# Allegro board V851S_V851SE_PER1_STD_QFN88_V1_0.brd
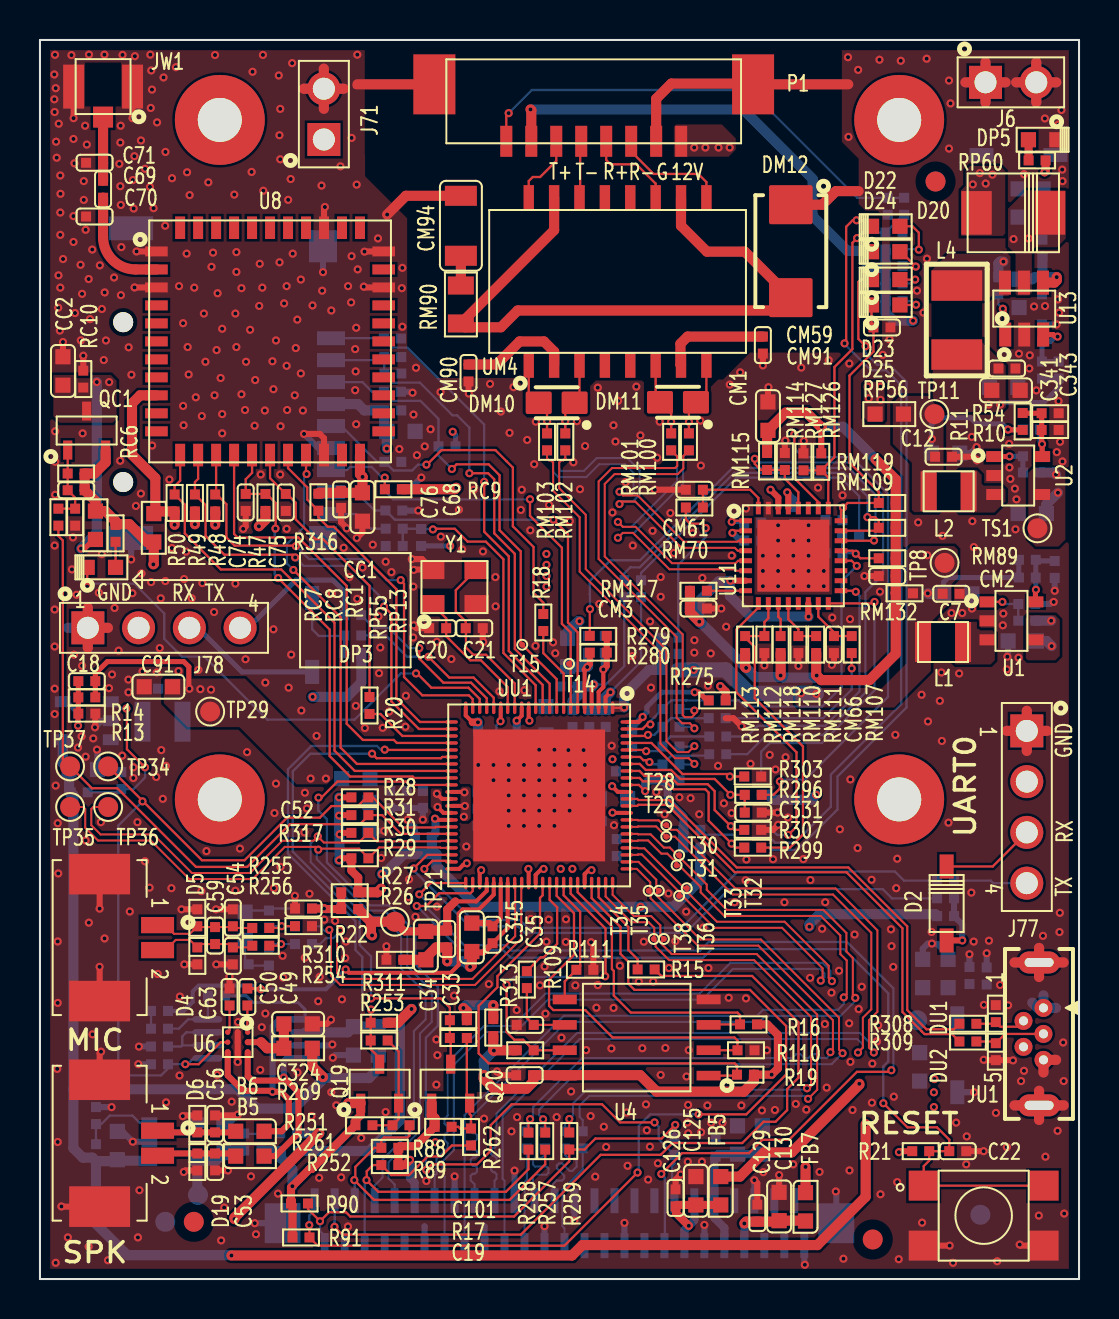
[diagram p0: board, top side]
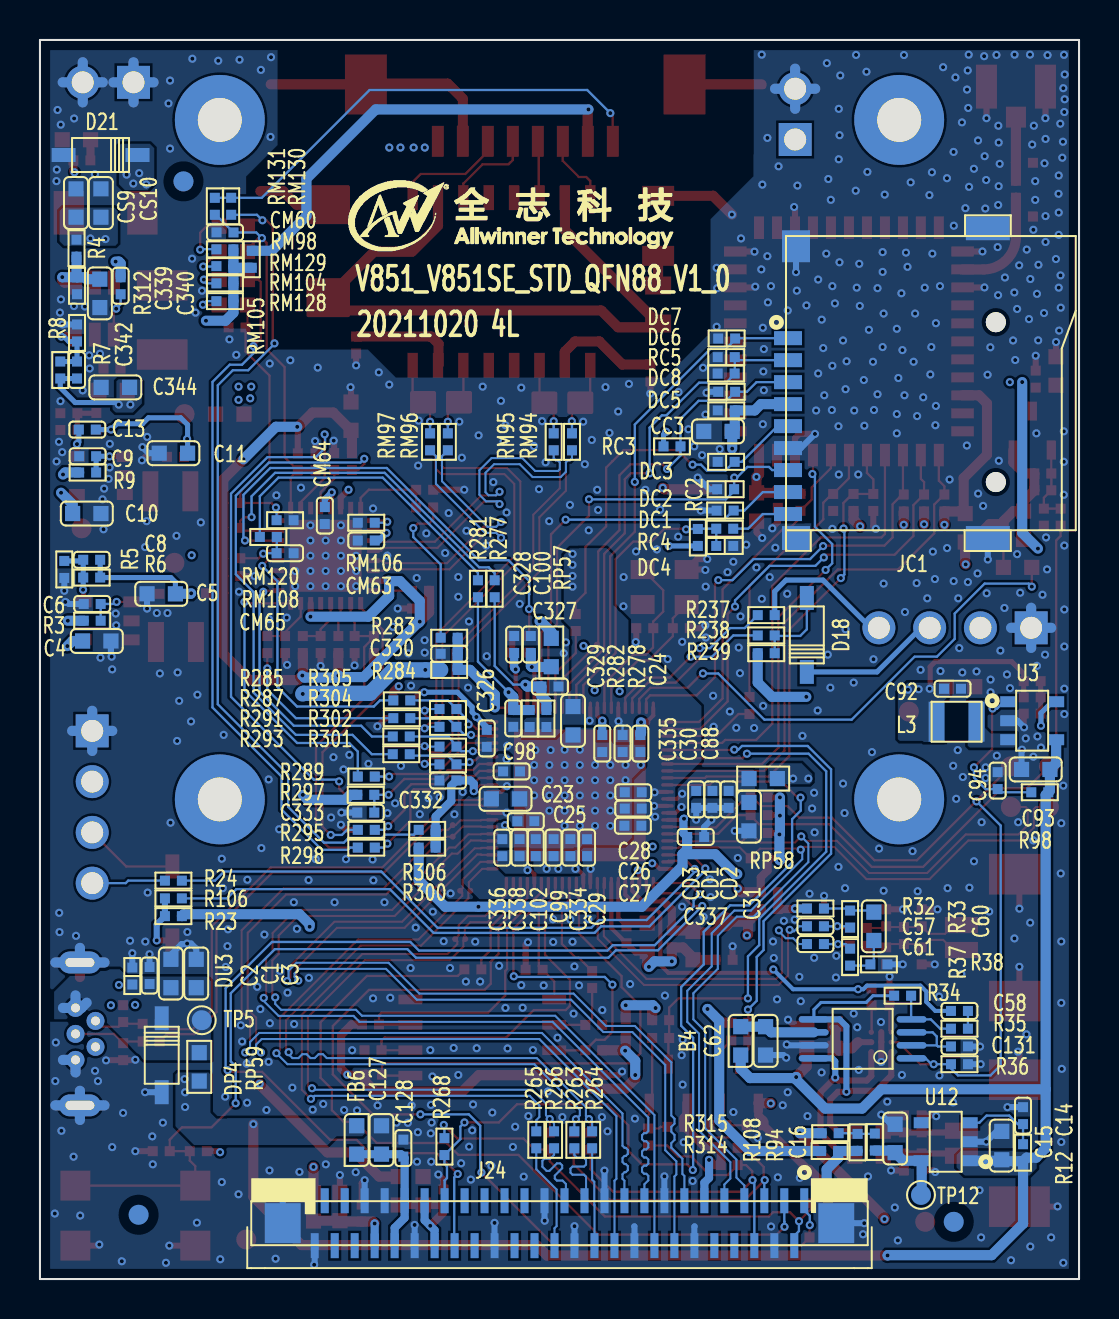
[diagram p1: board, bottom side, seen from below]

Outline 52 x 62 mm; copper layers: TOP, GND02, PWR03, BOTTOM. Coordinates in mm from the lower left corner of the outline.
Outline path: 0,62 0,0 52,0 52,62 0,62

## Design rules (mm)
net group DP1: nets USB0-DM USB0-DP
net group DP2: nets MIC1N-MIC MIC1P-MIC
net group DP3: nets PA8 PA9
net group DP4: nets PA6 PA7
net group EPHY-RX: nets EPHY-RXN EPHY-RXP
net group EPHY-TX: nets EPHY-TXN EPHY-TXP
net group IR-CUT-CTRL: nets IR-CUT-CTRL+ IR-CUT-CTRL-
net group MCSI-CK: nets MCSI-CKN MCSI-CKP
net group MCSI-D0: nets MCSI-D0N MCSI-D0P
net group MCSI-D1: nets MCSI-D1N MCSI-D1P
net group MICIN1: nets MICIN1N MICIN1P
net group MIPI-CSI-D2: nets MIPI-CSI-D2N MIPI-CSI-D2P
net group MIPI-CSI-D3: nets MIPI-CSI-D3N MIPI-CSI-D3P
net group RMII-MDI0: nets RMII-MDI0+ RMII-MDI0-
net group RMII-MDI1: nets RMII-MDI1+ RMII-MDI1-

## Placement (name value [footprint] x y rotation side)
B4  100R-1A  [L0603]  16.93 11.92 270 bottom
B5  100R-1A  [L0603]  10.51 6.15 180 top
B6  100R-1A  [L0603]  10.51 7.4 180 top
C1  NC/10uF  [C0603]  45.45 15.29 270 bottom
C2  100nF  [C0402]  46.52 15.19 270 bottom
C3  10uF  [C0603]  44.18 15.29 270 bottom
C4  4.7uF  [C0603]  49.16 31.92 0 bottom
C5  10uF  [C0603]  45.93 34.29 180 bottom
C6  NC/10nF  [C0402]  49.39 33.78 180 bottom
C7  100nF  [C0402]  45.6 34.29 180 top
C8  22pF  [C0402]  49.41 35.99 0 bottom
C9  100nF-X7R  [C0402]  49.61 41.17 180 bottom
C10  4.7uF  [C0603]  49.66 38.3 0 bottom
C11  10uF  [C0603]  45.32 41.32 180 bottom
C12  100nF  [C0402]  45.22 41.14 180 top
C13  22pF  [C0402]  49.63 42.51 0 bottom
C14  NC/10nF  [C0402]  2.8 8.18 270 bottom
C15  10uF  [C0603]  3.87 6.68 270 bottom
C16  4.7uF  [C0603]  9.2 7.03 270 bottom
C18  22pF  [C0402]  2.35 29.92 180 top
C19  100nF  [C0402]  24.26 10.2 0 top
C20  18pF  [C0402]  19.9 32.57 0 top
C21  18pF  [C0402]  21.73 32.57 180 top
C22  1nF  [C0402]  45.93 6.4 180 top
C23  NC/10uF  [C0603]  28.7 24.03 180 bottom
C24  10uF  [C0603]  25.32 27.93 270 bottom
C25  2.2uF  [C0402]  27.69 22.91 180 bottom
C26  1nF  [C0402]  22.31 23.54 0 bottom
C27  NC/100nF  [C0402]  22.33 22.68 0 bottom
C28  2.2uF  [C0402]  22.31 24.36 0 bottom
C29  1nF  [C0402]  24.62 21.59 90 bottom
C30  2.2uF  [C0402]  22.84 26.79 270 bottom
C31  10uF  [C0603]  16.52 23.14 270 bottom
C33  2.2uF  [C0402]  20.38 17.01 270 top
C34  NC/10uF  [C0603]  19.31 16.68 270 top
C35  470nF  [C0402]  22.65 17.23 90 top
C49  33nF  [C0402]  10.38 14.11 270 top
C50  33nF  [C0402]  9.49 14.11 270 top
C52  1uF  [C0402]  13.19 18.54 180 top
C53  22pF  [C0402]  8.76 5.86 270 top
C54  33pF  [C0402]  9.65 18.07 90 top
C56  22pF  [C0402]  8.76 7.76 90 top
C57  100nF  [C0402]  13.19 17.65 0 bottom
C58  390nF  [C0402]  5.98 13.42 180 bottom
C59  100pF  [C0402]  8.76 17.19 90 top
C60  4.7uF  [C0603]  10.27 17.65 90 bottom
C61  100nF  [C0402]  13.19 16.76 0 bottom
C62  10uF-10V  [C0603]  15.69 11.92 90 bottom
C63  33pF  [C0402]  9.65 16.17 90 top
C68  10uF  [C0603]  16.14 38.63 270 top
C69  10pF  [C0402]  3.16 54.53 90 top
C70  NC  [C0402]  2.73 53.17 0 top
C71  NC  [C0402]  2.73 55.86 0 top
C74  5.6pF  [C0402]  10.3 38.86 270 top
C75  5.6pF  [C0402]  12.3 38.86 270 top
C76  4.7uF  [C0402]  15.07 39.01 270 top
C88  100nF  [C0402]  21.95 26.79 90 bottom
C91  10uF  [C0603]  5.93 29.64 0 top
C92  100nF  [C0402]  6.33 29.54 0 bottom
C93  10uF  [C0603]  2.17 25.5 180 bottom
C94  NC/10nF  [C0402]  4.07 24.94 270 bottom
C98  100nF  [C0402]  28.4 25.4 180 bottom
C99  100nF  [C0402]  26.3 21.59 90 bottom
C100  100nF  [C0402]  27.43 31.75 90 bottom
C101  NC/5.6pF  [C0402]  24.28 12.72 0 top
C102  100nF  [C0402]  27.19 21.59 90 bottom
C125  10uF  [C0603]  32.83 4.42 270 top
C126  100nF  [C0402]  31.81 4.06 270 top
C127  10uF  [C0603]  34.91 6.96 270 bottom
C128  100nF  [C0402]  33.82 6.55 270 bottom
C129  100nF  [C0402]  35.9 3.3 270 top
C130  10uF  [C0603]  36.99 3.63 270 top
C131  1uF  [C0402]  5.98 11.64 0 bottom
C324  10uF-10V  [C0603]  12.92 12.77 180 top
C326  1uF  [C0402]  29.64 27.05 270 bottom
C327  100nF  [C0402]  26.48 29.65 180 bottom
C328  100nF  [C0402]  28.27 31.75 90 bottom
C329  100nF  [C0402]  28.31 28.05 270 bottom
C330  1uF  [C0402]  31.52 31.29 0 bottom
C331  100nF  [C0402]  35.7 23.34 180 top
C332  100nF  [C0402]  31.58 24.95 180 bottom
C333  2.2uF  [C0402]  35.7 23.34 180 bottom
C334  2.2uF  [C0402]  25.46 21.59 90 bottom
C335  100nF  [C0402]  23.86 26.79 270 bottom
C336  100nF  [C0402]  28.86 21.59 90 bottom
C337  100nF  [C0402]  19.19 22.12 180 bottom
C338  2.2uF  [C0402]  28 21.59 90 bottom
C339  NC  [C0603]  49 49.32 90 bottom
C340  100nF  [C0402]  47.96 49.7 90 bottom
C341  100nF  [C0402]  48.39 45.56 180 top
C342  47pF  [C0402]  50.15 45.49 270 bottom
C343  10uF-10V  [C0603]  48.34 44.47 180 top
C344  10uF-10V  [C0603]  48.23 44.62 180 bottom
C345  NC/10uF  [C0603]  21.61 17.1 270 top
CC1  100nF  [C0402]  1.81 39.47 0 top
CC2  NC/10uF  [C0603]  1.15 45.44 270 top
CC3  10uF  [C0603]  18.07 42.41 180 bottom
CD1  2.2uF  [C0402]  18.35 24 270 bottom
CD2  100nF  [C0402]  17.53 24 270 bottom
CD3  10nF  [C0402]  19.16 24 270 bottom
CM1  10uF  [C0603]  36.43 43.18 270 top
CM2  100nF  [C0402]  42.4 35.18 0 top
CM3  100nF  [C0402]  32.95 33.55 180 top
CM59  NC  [C0402]  42.14 47.61 180 top
CM60  NC  [C0402]  42.74 52.37 180 bottom
CM61  NC/27PF  [C0402]  32.75 39.49 0 top
CM63  104  [C0402]  35.67 36.95 180 bottom
CM64  104  [C0402]  37.74 38.2 90 bottom
CM65  104  [C0402]  39.73 36.32 0 bottom
CM66  NC/10PF  [C0402]  39.73 31.75 90 top
CM90  100nF  [C0402]  21.45 45.34 90 top
CM91  100nF  [C0402]  36.18 46.73 90 top
CM94  1nF-2KV  [C1206]  21.06 52.7 270 top
CS9  10uF-16V  [C0603]  48.95 53.84 270 bottom
CS10  10uF-16V  [C0603]  50.2 53.84 270 bottom
D2  B5819W  [SOD155_270H118]  45.37 18.79 90 top
D4  NC/ESD5451X  [ESD0402]  7.88 16.17 90 top
D5  NC/ESD5451X  [ESD0402]  7.88 18.07 270 top
D6  ESD5451X-2-TR  [ESD0402]  7.88 7.76 270 top
D18  B5819W  [SOD155_270H118]  13.62 32.23 270 bottom
D19  ESD5451X-2-TR  [ESD0402]  7.88 5.86 90 top
D20  SS24  [SOD362_432H229]  48.71 53.35 0 top
D21  SMBJ15CA  [SOD155_270H118]  48.97 56.24 180 bottom
D22  LED-0603-G  [LED0603]  42.32 52.68 180 top
D23  LED-0603-R  [LED0603]  42.32 50.01 180 top
D24  LED-0603-R  [LED0603]  42.32 51.41 180 top
D25  LED-0603-G  [LED0603]  42.32 48.74 180 top
DC1  ESD9B5VL-2-TR  [ESD0402]  17.71 38.45 180 bottom
DC2  ESD9B5VL-2-TR  [ESD0402]  17.69 39.52 180 bottom
DC3  ESD9B5VL-2-TR  [ESD0402]  17.66 40.89 180 bottom
DC4  NC/ESD5451X-2-TR  [ESD0402]  17.73 36.68 0 bottom
DC5  ESD5451X-2-TR  [ESD0402]  17.65 43.46 180 bottom
DC6  ESD9B5VL-2-TR  [ESD0402]  17.65 46.13 180 bottom
DC7  ESD9B5VL-2-TR  [ESD0402]  17.64 47.06 180 bottom
DC8  ESD9B5VL-2-TR  [ESD0402]  17.64 44.4 180 bottom
DM10  SPD9103W  [SOD323]  25.86 43.85 180 top
DM11  SPD9103W  [SOD323]  31.93 43.87 180 top
DM12  SPD4200B  [SMB]  37.57 51.43 270 top
DP3  LED-0603-B  [LED0603]  3.07 35.61 180 top
DP4  PT1A071V  [SOD155_270H118]  45.91 11.2 90 bottom
DP5  LED-0603-R  [LED0603]  50.18 57.01 0 top
DU1  NC/ESD9B5VL-2-TR  [ESD0402]  47.84 13.28 270 top
DU2  NC/ESD9B5VL-2-TR  [ESD0402]  47.84 11.38 90 top
DU3  NC/ESD5451X-2-TR  [ESD0402]  47.38 15.16 270 bottom
FB5  100R-1A  [L0603]  34.07 4.42 90 top
FB6  100R-1A  [L0603]  36.15 6.96 90 bottom
FB7  100R-1A  [L0603]  38.31 3.61 90 top
J5  CON2  [PITCH1_25_90_SMD_2PIN]  5.89 17.08 270 top
J6  CON1X2-2.54-M  [HDR1_2P254B250_508H254]  48.59 59.88 0 top
J24  FPC-50P-0.5MM-V  [FPC52P50B450_3065H520]  26 2.79 270 bottom
J71  NC/DBG-CLK  [HDR1_2P254B250_508H254]  14.21 58.29 90 top
J73  CON2  [PITCH1_25_90_SMD_2PIN]  5.89 6.8 270 top
J77  CON1X4-2.54-M  [HDR1_4P254B250_1016H254]  49.39 23.62 270 top
J78  CON1X4-2.54-M  [HDR1_4P254B250_1016H254]  6.21 32.59 0 top
JC1  TF-SLOT  [SDC13B1450_1472H245]  7.41 44.83 270 bottom
JU1  USB2.0-MICRO-02F  [ZIK_DIP_CN_UB315-F05G1BR-A_A_1]  50.22 12.27 270 top
JW1  ANT-IPX  [ANT3B300_310H125]  3.16 59.67 180 top
K1  Recovery  [KEY4B450_450H380]  47.23 3.17 0 top
L1  2.2uH-1.5A  [LP200_250H100]  45.19 31.87 180 top
L2  2.2uH-1.5A  [LP200_250H100]  45.47 39.42 180 top
L3  2.2uH-1.5A  [LP200_250H100]  6.13 27.89 0 bottom
L4  4.7UH  [CD32]  45.88 47.99 270 top
NOREF  -  []  0 0 90 top
NOREF#2  -  [unnamed#2]  7.7 2.86 0 top
NOREF#3  -  []  -30.31 -27.76 0 top
NOREF#4  -  []  9 24 0 top
NOREF#5  -  []  43 24 90 top
NOREF#6  -  []  52 0 90 top
NOREF#7  -  [unnamed#3]  9 58 0 top
NOREF#8  -  [unnamed#3]  43 58 0 top
NOREF#9  -  [unnamed#3]  9 24 0 top
NOREF#10  -  [unnamed#2]  44.82 54.92 0 top
NOREF#11  -  []  0 62 0 top
NOREF#12  -  [unnamed#3]  43 24 0 top
NOREF#13  -  [unnamed#2]  41.68 1.98 0 top
NOREF#14  -  [unnamed#2]  6.27 2.86 180 bottom
NOREF#15  -  [unnamed#2]  47.06 3.22 180 bottom
NOREF#16  -  []  36.66 51.27 180 bottom
NOREF#17  -  [unnamed#2]  44.82 54.92 180 bottom
P1  FPC_8PIN_1.25MM-V  [FPC8P125B1475_420H535]  27.71 56.93 180 top
Q19  NC/WNM2021  [SOT3P95B130_290H103]  17 9.77 90 top
Q20  NC/WNM2021  [SOT3P95B130_290H103]  20.55 9.78 90 top
QC1  STS2301  [SOT3P95B130_290H103]  2.34 42.46 90 top
R3  100K  [R0402]  49.39 32.94 180 bottom
R4  200K  [R0402]  50.17 51.58 270 bottom
R5  100K-1%  [R0402]  50.78 35.51 270 bottom
R6  442K-1%  [R0402]  49.41 35.1 0 bottom
R7  150K-1%  [R0402]  50.98 45.49 270 bottom
R8  20K-1%  [R0402]  50.15 47.34 270 bottom
R9  470K  [R0402]  49.61 40.36 180 bottom
R10  30K-1%  [R0402]  50.55 42.48 0 top
R11  16K-1%  [R0402]  49.18 42.91 90 top
R12  100K  [R0402]  2.8 6.32 90 bottom
R13  100K-1%  [R0402]  2.35 28.29 0 top
R14  150K-1%  [R0402]  2.35 29.11 180 top
R15  33R  [R0402]  30.34 15.49 0 top
R16  10K  [R0402]  35.46 12.74 180 top
R17  10K  [R0402]  24.28 11.45 0 top
R18  33R  [R0402]  25.19 32.85 90 top
R19  NC/10K  [R0402]  35.31 10.23 180 top
R20  33R  [R0402]  16.49 28.7 270 top
R21  51K  [R0402]  44.08 6.4 180 top
R22  0R  [R0402]  17.76 15.97 0 top
R23  10K  [R0402]  45.32 18.16 0 bottom
R24  1K  [R0402]  45.32 19.94 0 bottom
R26  2.2R  [R0402]  15.5 18.51 0 top
R27  NC/10R  [R0402]  15.5 19.35 0 top
R28  NC/10K  [R0402]  16.01 24.1 0 top
R29  NC/10K  [R0402]  16.01 21.05 0 top
R30  NC/10K  [R0402]  16.01 22.32 0 top
R31  NC/10K  [R0402]  16.01 23.21 0 top
R32  1K  [R0402]  13.19 18.54 0 bottom
R33  1.5K  [R0402]  11.46 18.01 270 bottom
R34  75K-1%  [R0402]  8.83 14.18 0 bottom
R35  20K-1%  [R0402]  5.98 12.53 0 bottom
R36  100K  [R0402]  5.98 10.75 180 bottom
R37  1.5K  [R0402]  11.46 16.11 90 bottom
R38  1K  [R0402]  10.02 15.74 180 bottom
R47  NC/33K  [R0402]  11.29 38.86 90 top
R48  NC/33K  [R0402]  8.77 38.83 90 top
R49  33K  [R0402]  7.76 38.83 90 top
R50  33K  [R0402]  6.74 38.83 90 top
R54  NC/240K-1%  [R0402]  50.55 43.32 0 top
R88  2K  [R0402]  17.51 6.57 0 top
R89  2K  [R0402]  17.51 5.7 0 top
R90  100K  [R0402]  12.99 3.78 180 top
R91  100K  [R0402]  13.06 2.08 180 top
R94  NC/0R  [R0402]  10.22 6.85 90 bottom
R98  100K  [R0402]  1.96 24.36 0 bottom
R106  1K  [R0402]  45.32 19.05 0 bottom
R108  NC/0R  [R0402]  11.08 6.84 270 bottom
R109  33R  [R0402]  24.37 14.98 270 top
R110  NC/4.7K  [R0402]  35.33 11.45 0 top
R111  NC/4.7K  [R0402]  27.27 15.47 0 top
R237  1K  [R0402]  15.65 33.22 180 bottom
R238  1K  [R0402]  15.65 32.2 180 bottom
R239  10K  [R0402]  15.65 31.32 0 bottom
R251  2.2K  [R0402]  16.21 7.69 180 top
R252  2.2K  [R0402]  20.18 7.62 180 top
R253  NC/0R  [R0402]  20.94 12.06 0 top
R254  NC/0R  [R0402]  16.98 11.93 0 top
R255  0R  [R0402]  11.05 17.57 0 top
R256  0R  [R0402]  11.05 16.68 0 top
R257  0R  [R0402]  25.29 6.9 270 top
R258  0R  [R0402]  24.45 6.9 270 top
R259  0R  [R0402]  26.49 6.9 270 top
R261  NC/0R  [R0402]  18.07 7.69 0 top
R262  NC/0R  [R0402]  21.57 7.11 270 top
R263  NC/0R  [R0402]  25.26 6.97 270 bottom
R264  NC/0R  [R0402]  24.37 6.97 270 bottom
R265  NC/0R  [R0402]  27.16 6.97 270 bottom
R266  NC/0R  [R0402]  26.27 6.97 270 bottom
R268  NC/0R  [R0402]  31.76 6.63 90 bottom
R269  1R  [R0603]  12.92 11.55 0 top
R275  0R  [R0402]  33.89 28.95 180 top
R277  0R  [R0402]  29.24 34.54 270 bottom
R278  0R  [R0402]  26.65 28.05 90 bottom
R279  0R  [R0402]  27.94 32.18 0 top
R280  0R  [R0402]  27.94 31.34 0 top
R281  0R  [R0402]  30.08 34.54 270 bottom
R282  0R  [R0402]  27.49 28.05 90 bottom
R283  0R  [R0402]  31.52 32.09 180 bottom
R284  0R  [R0402]  31.52 30.48 180 bottom
R285  0R  [R0402]  33.89 28.95 180 bottom
R287  0R  [R0402]  33.89 28.06 180 bottom
R289  0R  [R0402]  35.67 25.14 180 bottom
R291  0R  [R0402]  33.92 27.15 180 bottom
R293  0R  [R0402]  33.92 26.26 180 bottom
R295  0R  [R0402]  35.67 22.48 180 bottom
R296  0R  [R0402]  35.7 24.23 180 top
R297  0R  [R0402]  35.7 24.23 180 bottom
R298  0R  [R0402]  35.67 21.59 180 bottom
R299  0R  [R0402]  35.67 21.59 180 top
R300  0R  [R0402]  32.62 21.59 180 bottom
R301  0R  [R0402]  31.58 25.75 180 bottom
R302  0R  [R0402]  31.58 26.64 180 bottom
R303  0R  [R0402]  35.67 25.14 180 top
R304  0R  [R0402]  31.58 27.63 180 bottom
R305  0R  [R0402]  31.58 28.52 180 bottom
R306  0R  [R0402]  32.62 22.48 180 bottom
R307  6.04K-1%  [R0402]  35.67 22.48 180 top
R308  0R  [R0402]  46.44 12.77 0 top
R309  0R  [R0402]  46.44 11.88 0 top
R310  NC/2.2K  [R0402]  16.98 12.82 0 top
R311  NC/2.2K  [R0402]  20.94 12.95 0 top
R312  100K  [R0402]  50.15 49.7 90 bottom
R313  0R  [R0402]  22.69 12.58 90 top
R314  NC/0R  [R0402]  12.48 6.41 0 bottom
R315  NC/0R  [R0402]  12.45 7.3 0 bottom
R316  NC/33K  [R0402]  13.93 38.87 270 top
R317  NC/4.7K  [R0402]  13.19 17.66 0 top
RC1  2.2R  [R0603]  2.78 37.72 270 top
RC2  NC/10K  [R0402]  19.08 37.11 270 bottom
RC3  NC/10K  [R0402]  20.37 41.66 0 bottom
RC4  1K  [R0402]  17.73 37.55 0 bottom
RC5  NC/1M  [R0402]  17.66 45.31 0 bottom
RC6  100K  [R0402]  1.81 40.31 0 top
RC7  1K  [R0402]  0.92 38.12 90 top
RC8  10K  [R0402]  1.76 38.12 90 top
RC9  NC/10K  [R0402]  17.69 39.52 0 top
RC10  10K  [R0402]  2.17 45.03 270 top
RM70  0R  [R0402]  32.75 38.6 180 top
RM89  4.7K  [R0402]  42.4 36.06 180 top
RM90  75R-1%  [R0805]  21.06 48.76 90 top
RM94  3.3R  [R0402]  25.38 41.89 90 bottom
RM95  3.3R  [R0402]  26.29 41.89 90 bottom
RM96  3.3R  [R0402]  31.59 41.89 90 bottom
RM97  3.3R  [R0402]  32.48 41.89 90 bottom
RM98  330R  [R0402]  42.74 51.52 180 bottom
RM100  3.3R  [R0402]  32.48 41.89 90 top
RM101  3.3R  [R0402]  31.59 41.89 90 top
RM102  3.3R  [R0402]  26.29 41.89 90 top
RM103  3.3R  [R0402]  25.38 41.89 90 top
RM104  330R  [R0402]  42.74 49.82 180 bottom
RM105  330R  [R0402]  41.4 51.03 270 bottom
RM106  2.49K-1%  [R0402]  35.67 37.84 180 bottom
RM107  0R  [R0402]  40.62 31.75 90 top
RM108  0R  [R0402]  40.57 37.13 180 bottom
RM109  1.5K  [R0402]  42.4 37.59 0 top
RM110  4.7K  [R0402]  37.96 31.75 270 top
RM111  NC/4.7K  [R0402]  38.84 31.75 90 top
RM112  4.7K  [R0402]  36.25 31.75 270 top
RM113  NC/4.7K  [R0402]  35.29 31.75 90 top
RM114  4.7K  [R0402]  37.28 40.91 90 top
RM115  NC/4.7K  [R0402]  36.39 40.91 270 top
RM117  4.7K  [R0402]  32.95 34.44 0 top
RM118  NC/4.7K  [R0402]  37.07 31.75 90 top
RM119  4.7K  [R0402]  42.4 38.83 180 top
RM120  NC/4.7K  [R0402]  39.73 37.97 180 bottom
RM126  4.7K  [R0402]  39.1 40.89 270 top
RM127  NC/4.7K  [R0402]  38.21 40.89 90 top
RM128  330R  [R0402]  42.74 48.93 180 bottom
RM129  330R  [R0402]  42.74 50.68 180 bottom
RM130  0R  [R0402]  42.43 53.68 90 bottom
RM131  0R  [R0402]  43.25 53.68 90 bottom
RM132  0R  [R0402]  43.26 34.31 0 top
RP13  0.01R-1%  [R0603]  5.7 37.59 90 top
RP55  1K  [R0402]  3.78 37.31 270 top
RP56  0.01R-1%  [R0603]  42.5 43.28 180 top
RP57  0.01R-1%  [R0603]  26.41 31.35 270 bottom
RP58  0.01R-1%  [R0603]  15.81 25.04 0 bottom
RP59  0.01R-1%  [R0603]  44.03 10.62 270 bottom
RP60  1K  [R0402]  49.9 55.97 180 top
T14  SDC0-D0  [TP30]  26.48 30.78 0 top
T15  SDC0-CMD  [TP30]  24.13 31.74 0 top
T28  eMMC-CMD  [TP30]  31.35 22.71 90 top
T29  eMMC-CMD  [TP30]  31.35 22.14 90 top
T30  eMMC-CMD  [TP30]  31.99 21.21 90 top
T31  eMMC-CMD  [TP30]  31.86 20.7 90 top
T32  eMMC-CMD  [TP30]  32.37 19.55 90 top
T33  eMMC-CMD  [TP30]  31.99 19.17 90 top
T34  eMMC-CMD  [TP30]  30.46 19.43 90 top
T35  eMMC-CMD  [TP30]  30.97 19.43 90 top
T36  eMMC-CMD  [TP30]  31.22 17.01 90 top
T38  eMMC-CMD  [TP30]  30.72 17.01 90 top
TP5  5V  [TP100]  43.9 12.95 180 bottom
TP8  3V3  [TP100]  45.27 35.84 180 top
TP11  0V9  [TP100]  44.76 43.28 180 top
TP12  1V8  [TP100]  7.91 4.21 0 bottom
TP21  AVCC  [TP100]  17.76 17.88 180 top
TP29  1V5  [TP100]  8.52 28.39 180 top
TP34  TDI  [TP100]  3.41 25.65 270 top
TP35  TMS  [TP100]  1.51 23.62 270 top
TP36  TCK  [TP100]  3.41 23.62 270 top
TP37  TDO  [TP100]  1.51 25.65 270 top
TS1  ACIN  [TP100]  49.92 37.56 0 top
U1  RY3408/SY8088AAC  [SOT5P95B160_300H130]  48.62 32.93 0 top
U2  SY8088i  [SOT5P95B160_300H130]  48.95 40.21 0 top
U3  RY3408/SY8088AAC  [SOT5P95B160_300H130]  2.35 27.94 180 bottom
U4  SPI-NOR-SO8  [SOP8P127B528_528H195]  29.86 12.08 180 top
U5  NC/NS4890  [MSOP-8P]  10.83 12.02 90 bottom
U6  AW8155  [BGA9P50B145_145H65]  9.9 11.85 270 top
U8  BL-M8189FS  [SUB_WIFI44B1200_1200H150]  11.52 46.92 0 top
U11  RTL8201F-VB  [QFN33P50B500_500H85]  37.7 36.19 0 top
U12  AP2127K-1.8TRG1  [SOT5P95B160_300H130]  6.67 6.87 0 bottom
U13  SY8120B1ABC  [SOT6P95B180_310H100]  49.26 48.56 90 top
UM4  H1601CG  [SOP16P127B690_1260H584]  28.91 49.92 90 top
UU1  V851  [QFN89P35B900_900H90]  24.98 24.2 270 top
Y1  24M-16pF-10ppm  [X4B250_320H120_SMD]  20.74 34.62 90 top

## Library data of the parts
B4-B6 FB5-FB7 = FB-0603
C1 C3-C5 C10 C11 C15 C16 C23 C24 C31 C34 C62 C68 C91 C93 C324 C339 C343-C345 CC2 CC3 CS9 CS10 = C-C0603
C2 C6-C9 C12-C14 C18-C22 C25-C30 C33 C35 C49 C50 C52-C54 C56-C61 C63 C69-C71 C74-C76 C88 C92 C94 C98-C102 C125-C131 C326-C338 C340-C342 CC1 CD1-CD3 CM59-CM61 CM90 CM91 = C-C0402
CM1-CM3 CM63-CM66 = C-C0402: room: EMAC
CM94 = C-C1206
D2 D18 = DIO-B5819W
D4 D5 DC1-DC3 DC6-DC8 DU1 DU2 = ESD9B5VL
D6 D19 DC4 DC5 DU3 = ESD5451X
D20 = DIO-SS24
D21 = ZENER-SMBJ15CA
D22 D25 = LED-0603-G
D23 D24 DP5 = LED-0603-R
DM10 DM11 = SPD9103W: Tolerance: RichardLC
DM12 = SPD4200B
DP3 = LED-0603-B
DP4 = ZENER-BZT52C5V6
J5 J73 = CON3_3: room: POWER
J6 = CON1X2-2.54-M
J24 = FPC-50P-0.5MM-V
J71 = JUMPER-2
J77 J78 = CON1X4-2.54-M
JC1 = TF-SLOT
JU1 = USB2_0-MICRO-02F
JW1 = ANT-IPX
K1 = KEY-04P-SMD-03: Tolerance: TOLERANCE; User Part Number: PRAT NUMBER
L1-L3 = L-L2520
L4 = L-L3225
P1 = FPC_8PIN_1.25MM-V
Q19 Q20 = NMOS-WNM2021
QC1 = PMOS-STS2301
R3-R20 R22 R26-R38 R47-R50 R54 R88-R91 R94 R98 R108-R111 R237-R239 R251-R259 R261-R266 R268 R269 R275 R277-R285 R287 R289 R291 R293 R295-R306 R308-R317 RC1-RC10 RM70 RM89 RM94-RM98 RM100-RM115 RM117-RM120 RM126-RM132 RP13 RP56-RP59 = R-R0402-5%
R21 R307 = R-R0402-1%
R23 R24 R106 = R1_0805: room: DRAM
RM90 = R-R0805-1%
RP55 RP60 = R-R0603-5%
T14 T15 T28-T36 T38 = TestPoint-on wire
TP5 TP8 TP11 TP12 TP21 TP29 TP34-TP37 TS1 = TestPoint-SMD
U1-U3 = SY8008B
U4 = SPI-NOR-SO8
U5 = CS8302: Tolerance: Tolerance; User Part Number: ParNumber
U6 = AW8010CSR_0
U8 = AP6493_0
U11 = RTL8201F-VB
U12 = SGM2028
U13 = SY8120B1ABC
UM4 = H1601CG
UU1 = V851_QFN88
Y1 = CRY-24MHz-3225-SMD

## Footprints (pads in the part's own frame, mm; a bottom-side part is the same pattern mirrored in y, then rotated)
ANT3B300_310H125
  rect 1.05x2.2 smd: 1(-1.475,0) 2(1.475,0)
  rect 1x1.05 smd: 3(0,1.525)
BGA9P50B145_145H65
  round 0.27 smd: A1(-0.5,0.5) A2(0,0.5) A3(0.5,0.5) B1(-0.5,0) B2(0,0) B3(0.5,0) C1(-0.5,-0.5) C2(0,-0.5) C3(0.5,-0.5)
C0402
  rect 0.5x0.5 smd: 1(-0.425,0) 2(0.425,0)
C0603
  rect 0.76x0.76 smd: 1(-0.71,0) 2(0.71,0)
C1206
  rect 1x1.6 smd: 1(-1.5,0) 2(1.5,0)
CD32
  rect 1.524x2.54 smd: 1(-1.727,0) 2(1.727,0)
ESD0402
  rect 0.5x0.5 smd: 1(-0.425,0) 2(0.425,0)
FPC8P125B1475_420H535
  rect 0.6x1.55 smd: 1(-4.375,0) 2(-3.125,0) 3(-1.875,0) 4(-0.625,0) 5(0.625,0) 6(1.875,0) 7(3.125,0) 8(4.375,0)
  rect 2.1x3 smd: 9(-7.975,-2.85) 10(7.975,-2.85)
FPC52P50B450_3065H520
  rect 1.25x0.4 smd: 1(-1.125,12.25) 2(1.125,11.75) 3(-1.125,11.25) 4(1.125,10.75) 5(-1.125,10.25) 6(1.125,9.75) 7(-1.125,9.25) 8(1.125,8.75) 9(-1.125,8.25) 10(1.125,7.75) 11(-1.125,7.25) 12(1.125,6.75) 13(-1.125,6.25) 14(1.125,5.75) 15(-1.125,5.25) 16(1.125,4.75) 17(-1.125,4.25) 18(1.125,3.75) 19(-1.125,3.25) 20(1.125,2.75) 21(-1.125,2.25) 22(1.125,1.75) 23(-1.125,1.25) 24(1.125,0.75) 25(-1.125,0.25) 26(1.125,-0.25) 27(-1.125,-0.75) 28(1.125,-1.25) 29(-1.125,-1.75) 30(1.125,-2.25) 31(-1.125,-2.75) 32(1.125,-3.25) 33(-1.125,-3.75) 34(1.125,-4.25) 35(-1.125,-4.75) 36(1.125,-5.25) 37(-1.125,-5.75) 38(1.125,-6.25) 39(-1.125,-6.75) 40(1.125,-7.25) 41(-1.125,-7.75) 42(1.125,-8.25) 43(-1.125,-8.75) 44(1.125,-9.25) 45(-1.125,-9.75) 46(1.125,-10.25) 47(-1.125,-10.75) 48(1.125,-11.25) 49(-1.125,-11.75) 50(1.125,-12.25)
  rect 2x1.8 smd: 51(0,13.85) 52(0,-13.85)
HDR1_2P254B250_508H254
  rect 1.65x1.65 hole 1.1: 1(-1.27,0)
  round 1.65 hole 1.1: 2(1.27,0)
HDR1_4P254B250_1016H254
  rect 1.65x1.65 hole 1.1: 1(-3.81,0)
  round 1.65 hole 1.1: 2(-1.27,0) 3(1.27,0) 4(3.81,0)
KEY4B450_450H380
  rect 1.5x1.5 smd: 1(-3,1.5) 2(-3,-1.5) 3(3,1.5) 4(3,-1.5)
L0603
  rect 0.76x0.76 smd: 1(-0.71,0) 2(0.71,0)
LED0603
  rect 0.76x0.76 smd: 1(-0.71,0) 2(0.71,0)
LP200_250H100
  rect 0.8x2 smd: 1(-1,0) 2(1,0)
MSOP-8P
  oval 0.325x1.5 smd: 1(-0.975,-2.45) 2(-0.325,-2.45) 3(0.325,-2.45) 4(0.975,-2.45) 5(0.975,2.45) 6(0.325,2.45) 7(-0.325,2.45) 8(-0.975,2.45)
PITCH1_25_90_SMD_2PIN
  rect 0.813x1.651 smd: 1(-0.625,0) 2(0.625,0)
  rect 2.032x3.048 smd: 3(-3.175,-2.9) 4(3.175,-2.9)
QFN33P50B500_500H85
  rect 0.63x0.25 smd: 1(-2.385,1.75) 2(-2.385,1.25) 3(-2.385,0.75) 4(-2.385,0.25) 5(-2.385,-0.25) 6(-2.385,-0.75) 7(-2.385,-1.25) 8(-2.385,-1.75) 17(2.385,-1.75) 18(2.385,-1.25) 19(2.385,-0.75) 20(2.385,-0.25) 21(2.385,0.25) 22(2.385,0.75) 23(2.385,1.25) 24(2.385,1.75)
  rect 0.25x0.63 smd: 9(-1.75,-2.385) 10(-1.25,-2.385) 11(-0.75,-2.385) 12(-0.25,-2.385) 13(0.25,-2.385) 14(0.75,-2.385) 15(1.25,-2.385) 16(1.75,-2.385) 25(1.75,2.385) 26(1.25,2.385) 27(0.75,2.385) 28(0.25,2.385) 29(-0.25,2.385) 30(-0.75,2.385) 31(-1.25,2.385) 32(-1.75,2.385)
  rect 3.6x3.6 smd: 33(0,0)
QFN89P35B900_900H90
  oval 0.63x0.17 smd: 1(-4.385,3.675) 2(-4.385,3.325) 3(-4.385,2.975) 4(-4.385,2.625) 5(-4.385,2.275) 6(-4.385,1.925) 7(-4.385,1.575) 8(-4.385,1.225) 9(-4.385,0.875) 10(-4.385,0.525) 11(-4.385,0.175) 12(-4.385,-0.175) 13(-4.385,-0.525) 14(-4.385,-0.875) 15(-4.385,-1.225) 16(-4.385,-1.575) 17(-4.385,-1.925) 18(-4.385,-2.275) 19(-4.385,-2.625) 20(-4.385,-2.975) 21(-4.385,-3.325) 22(-4.385,-3.675) 45(4.385,-3.675) 46(4.385,-3.325) 47(4.385,-2.975) 48(4.385,-2.625) 49(4.385,-2.275) 50(4.385,-1.925) 51(4.385,-1.575) 52(4.385,-1.225) 53(4.385,-0.875) 54(4.385,-0.525) 55(4.385,-0.175) 56(4.385,0.175) 57(4.385,0.525) 58(4.385,0.875) 59(4.385,1.225) 60(4.385,1.575) 61(4.385,1.925) 62(4.385,2.275) 63(4.385,2.625) 64(4.385,2.975) 65(4.385,3.325) 66(4.385,3.675)
  oval 0.17x0.63 smd: 23(-3.675,-4.385) 24(-3.325,-4.385) 25(-2.975,-4.385) 26(-2.625,-4.385) 27(-2.275,-4.385) 28(-1.925,-4.385) 29(-1.575,-4.385) 30(-1.225,-4.385) 31(-0.875,-4.385) 32(-0.525,-4.385) 33(-0.175,-4.385) 34(0.175,-4.385) 35(0.525,-4.385) 36(0.875,-4.385) 37(1.225,-4.385) 38(1.575,-4.385) 39(1.925,-4.385) 40(2.275,-4.385) 41(2.625,-4.385) 42(2.975,-4.385) 43(3.325,-4.385) 44(3.675,-4.385) 67(3.675,4.385) 68(3.325,4.385) 69(2.975,4.385) 70(2.625,4.385) 71(2.275,4.385) 72(1.925,4.385) 73(1.575,4.385) 74(1.225,4.385) 75(0.875,4.385) 76(0.525,4.385) 77(0.175,4.385) 78(-0.175,4.385) 79(-0.525,4.385) 80(-0.875,4.385) 81(-1.225,4.385) 82(-1.575,4.385) 83(-1.925,4.385) 84(-2.275,4.385) 85(-2.625,4.385) 86(-2.975,4.385) 87(-3.325,4.385) 88(-3.675,4.385)
  rect 6.6x6.6 smd: 89(0,0)
R0402
  rect 0.5x0.5 smd: 1(-0.425,0) 2(0.425,0)
R0603
  rect 0.76x0.76 smd: 1(-0.71,0) 2(0.71,0)
R0805
  rect 0.9x1.3 smd: 1(-0.95,0) 2(0.95,0)
SDC13B1450_1472H245
  round 1 hole 1 unplated: (-3.05,3.25) (4.95,3.25)
  rect 0.7x1.4 smd: 1(-2.25,-7.15) 2(-1.15,-7.15) 3(-0.05,-7.15) 4(1.05,-7.15) 5(2.15,-7.15) 6(3.25,-7.15) 7(4.35,-7.15) 8(5.45,-7.15) 9(6.55,-7.15)
  rect 1.2x1.4 smd: 10(7.75,-6.75)
  rect 1.6x1.4 smd: 11(-6.85,-6.75)
  rect 1.2x2.2 smd: 12(7.75,2.85) 13(-7.75,2.85)
SMB
  custom 1.95x2.176 smd: 1(2.325,0) 2(-2.325,0)
SOD155_270H118
  rect 1.2x0.7 smd: 1(-1.85,0) 2(1.85,0)
SOD323
  custom 1.3x1.126 smd: 1(0.9,0) 2(-0.9,0)
SOD362_432H229
  rect 1.52x2.18 smd: 1(-1.84,0) 2(1.84,0)
SOP8P127B528_528H195
  rect 1.2x0.48 smd: 1(-3.6,1.905) 2(-3.6,0.635) 3(-3.6,-0.635) 4(-3.6,-1.905) 5(3.6,-1.905) 6(3.6,-0.635) 7(3.6,0.635) 8(3.6,1.905)
SOP16P127B690_1260H584
  rect 1.25x0.52 smd: 1(-4.195,4.445) 2(-4.195,3.175) 3(-4.195,1.905) 4(-4.195,0.635) 5(-4.195,-0.635) 6(-4.195,-1.905) 7(-4.195,-3.175) 8(-4.195,-4.445) 9(4.195,-4.445) 10(4.195,-3.175) 11(4.195,-1.905) 12(4.195,-0.635) 13(4.195,0.635) 14(4.195,1.905) 15(4.195,3.175) 16(4.195,4.445)
SOT3P95B130_290H103
  rect 0.95x0.46 smd: 1(-0.975,0.95) 2(-0.975,-0.95) 3(0.975,0)
SOT5P95B160_300H130
  rect 0.8x0.55 smd: 1(-1.2,0.95) 2(-1.2,0) 3(-1.2,-0.95) 4(1.2,-0.95) 5(1.2,0.95)
SOT6P95B180_310H100
  rect 1.2x0.6 smd: 1(-1.3,0.95) 2(-1.3,0) 3(-1.3,-0.95) 4(1.3,-0.936) 5(1.3,0.014) 6(1.3,0.964)